# Altium PCB DIOT_temperature_logger.PCBDOC (part 1 of 5) (continued)
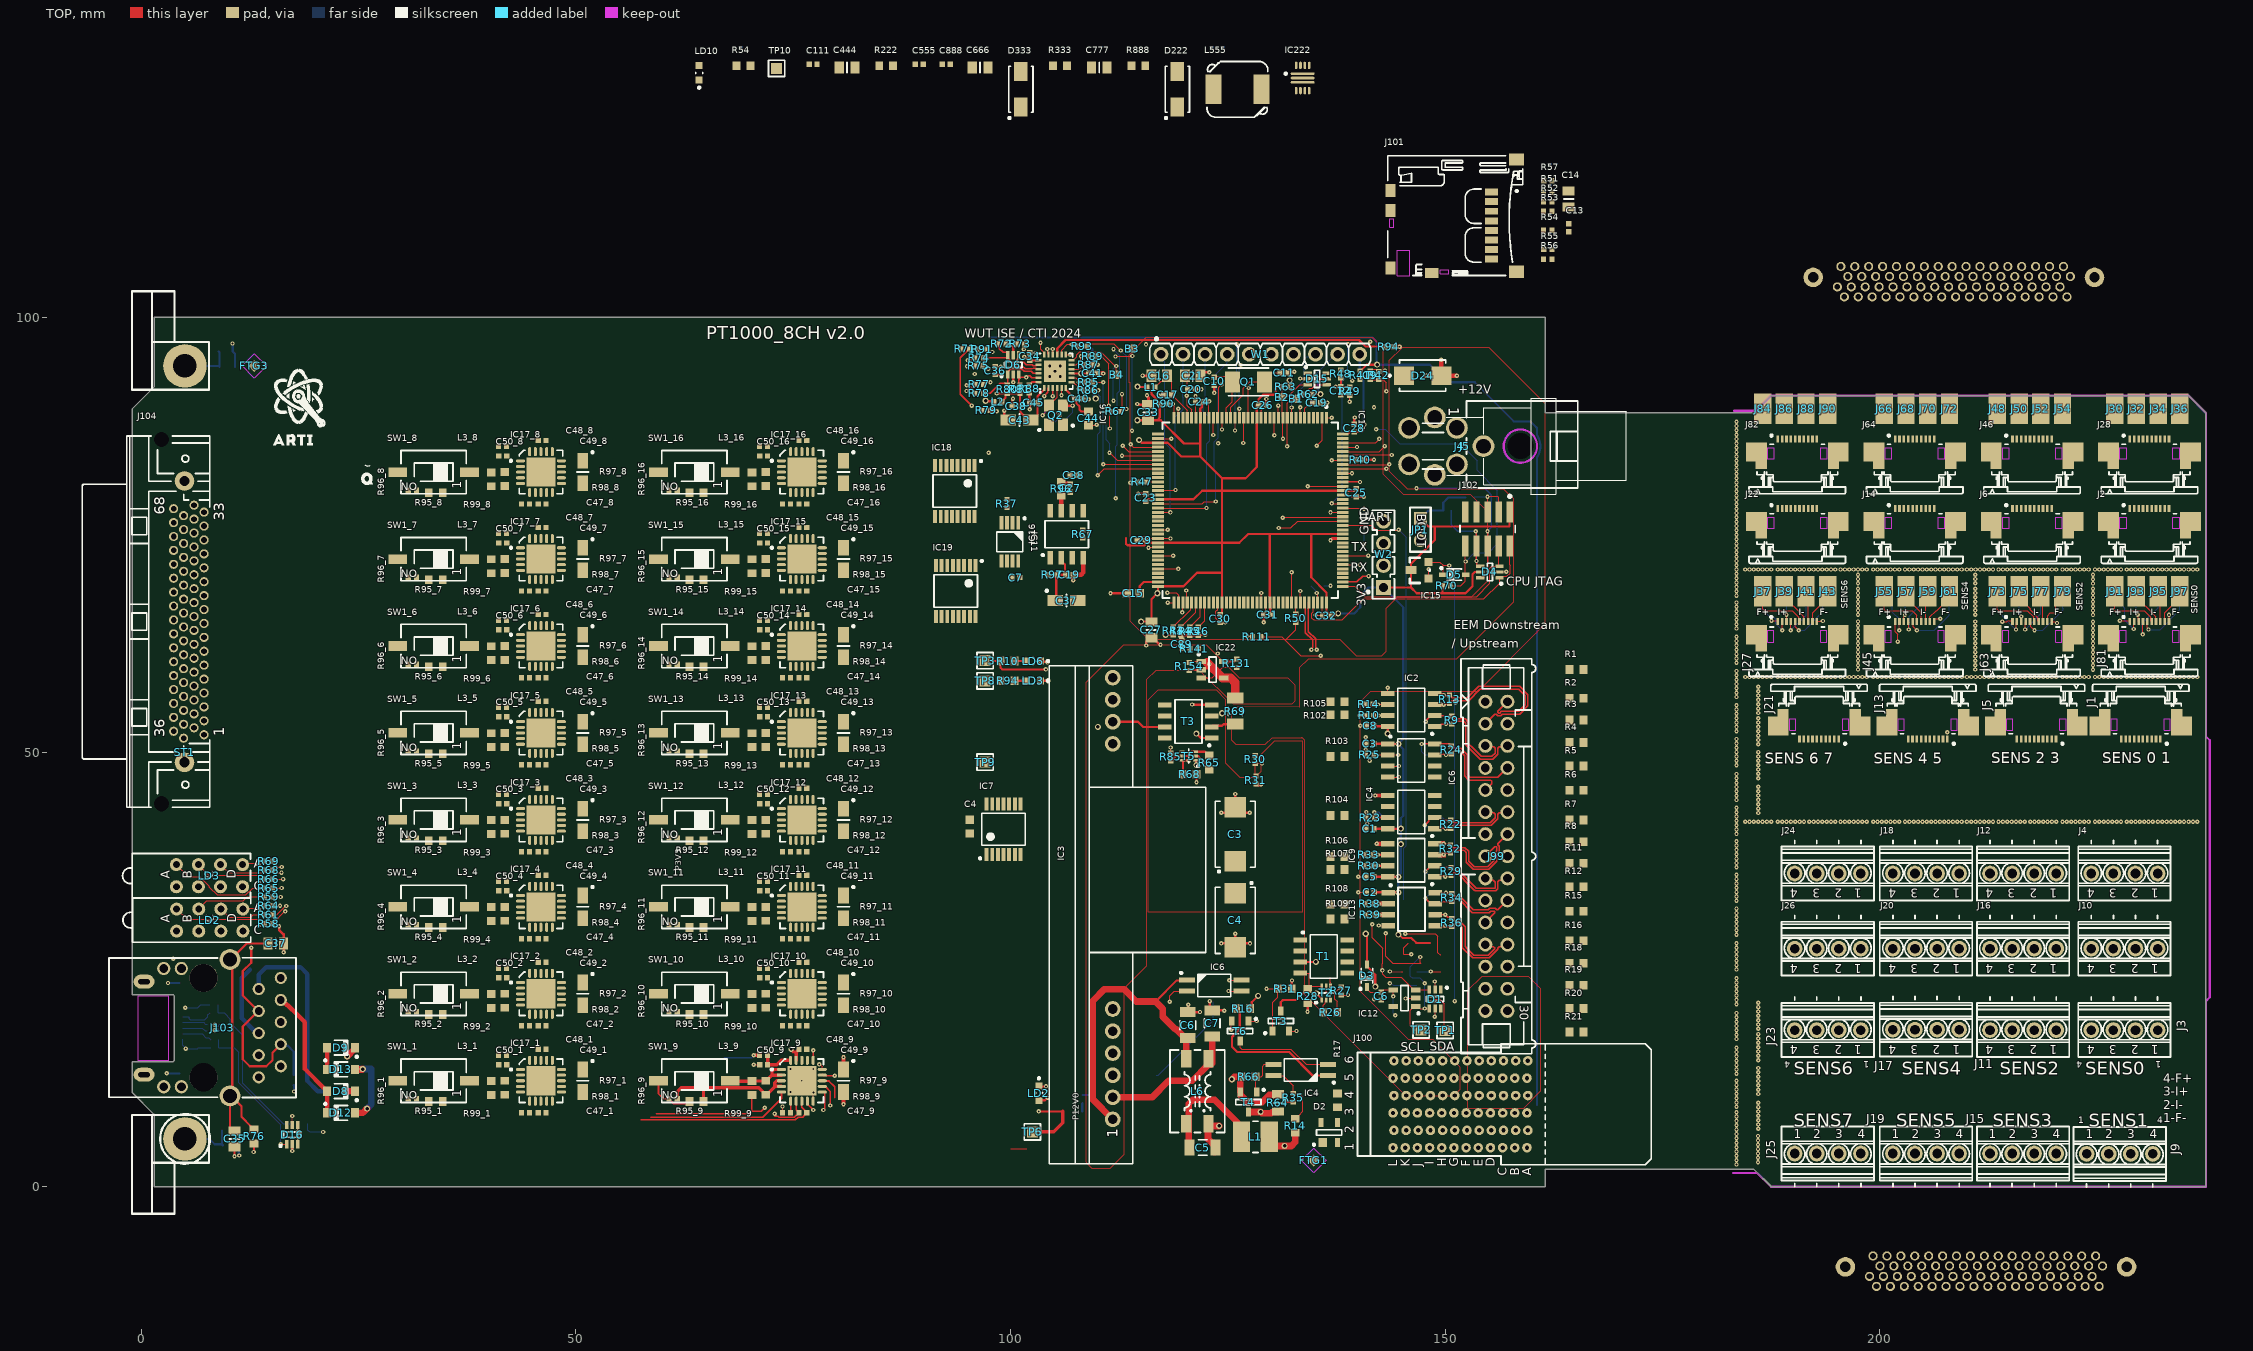
[diagram p0: TOP view]
## Classes and differential pairs
component class U_Breakout2: J1 J2 J3 J4 J5 J6 J7 J8 J9 J10 J11 J12 J13 J14 J15 J16 J17 J18 J19 J20 J21 J22 J23 J24 J25 J26 J27 J28 J29 J30 J31 J32 J33 J34 J35 J36 J37 J38 J39 J40 J41 J42 J43 J44 J45 J46 J47 J48 J49 J50 J51 J52 J53 J54 J55 J56 J57 J58 J59 J60 J61 J62 J63 J64 J65 J66 J67 J68 J69 J70 J71 J72 J73 J74 J75 J76 J77 J78 J79 J80 J81 J82 J83 J84 J85 J86 J87 J88 J89 J90 J91 J92 J93 J94 J95 J96 J97 J98
net class PWR: P12V0
component class RTD_15: C47_16 C48_16 C49_16 C50_16 IC17_16 L3_16 R95_16 R96_16 R97_16 R98_16 R99_16 SW1_16
component class RTD_14: C47_15 C48_15 C49_15 C50_15 IC17_15 L3_15 R95_15 R96_15 R97_15 R98_15 R99_15 SW1_15
component class RTD_13: C47_14 C48_14 C49_14 C50_14 IC17_14 L3_14 R95_14 R96_14 R97_14 R98_14 R99_14 SW1_14
component class RTD_12: C47_13 C48_13 C49_13 C50_13 IC17_13 L3_13 R95_13 R96_13 R97_13 R98_13 R99_13 SW1_13
component class RTD_11: C47_12 C48_12 C49_12 C50_12 IC17_12 L3_12 R95_12 R96_12 R97_12 R98_12 R99_12 SW1_12
component class RTD_10: C47_11 C48_11 C49_11 C50_11 IC17_11 L3_11 R95_11 R96_11 R97_11 R98_11 R99_11 SW1_11
component class RTD_09: C47_10 C48_10 C49_10 C50_10 IC17_10 L3_10 R95_10 R96_10 R97_10 R98_10 R99_10 SW1_10
component class RTD_08: C47_9 C48_9 C49_9 C50_9 IC17_9 L3_9 R95_9 R96_9 R97_9 R98_9 R99_9 SW1_9
component class RTD_07: C47_8 C48_8 C49_8 C50_8 IC17_8 L3_8 R95_8 R96_8 R97_8 R98_8 R99_8 SW1_8
component class RTD_06: C47_7 C48_7 C49_7 C50_7 IC17_7 L3_7 R95_7 R96_7 R97_7 R98_7 R99_7 SW1_7
component class RTD_05: C47_6 C48_6 C49_6 C50_6 IC17_6 L3_6 R95_6 R96_6 R97_6 R98_6 R99_6 SW1_6
component class RTD_04: C47_5 C48_5 C49_5 C50_5 IC17_5 L3_5 R95_5 R96_5 R97_5 R98_5 R99_5 SW1_5
channel class RTD: RTD_00 RTD_01 RTD_02 RTD_03 RTD_04 RTD_05 RTD_06 RTD_07 RTD_08 RTD_09 RTD_10 RTD_11 RTD_12 RTD_13 RTD_14 RTD_15
component class RTD_03: C47_4 C48_4 C49_4 C50_4 IC17_4 L3_4 R95_4 R96_4 R97_4 R98_4 R99_4 SW1_4
component class RTD_02: C47_3 C48_3 C49_3 C50_3 IC17_3 L3_3 R95_3 R96_3 R97_3 R98_3 R99_3 SW1_3
component class RTD_01: C47_2 C48_2 C49_2 C50_2 IC17_2 L3_2 R95_2 R96_2 R97_2 R98_2 R99_2 SW1_2
component class RTD_00: C47_1 C48_1 C49_1 C50_1 IC17_1 L3_1 R95_1 R96_1 R97_1 R98_1 R99_1 SW1_1
net class HPOW: NetC5_1 NetC5_2 NetC6_2 NetC7_2 P12V0 P12V0_IN P12V0_POE POE_VC+ POE_VC-
component class EEM_connector: C1 C2 C3 C4 C5 C6 C7 C8 D1 D2 D3 IC1 IC2 IC3 IC4 IC5 IC6 IC7 IC8 IC9 IC10 IC11 IC12 IC13 J99 J100 LD1 R1 R2 R3 R4 R5 R6 R7 R8 R9 R10 R11 R12 R13 R14 R15 R16 R17 R18 R19 R20 R21 R22 R23 R24 R25 R26 R27 R28 R29 R30 R31 R32 R33 R34 R35 R36 R37 R38 R39 T1 T2 T3 TP1 TP2 TP3
component class Thermostat_16CH: C51 C52 D15 FTG1 FTG2 FTG3 FTG4 IC18 IC19 J104 R100 R101 R102 R103 R104 R105 R106 R107 R108 R109 SCREW5 SCREW6 SCREW7 SCREW8 ST1 Standoff1 Standoff2 Standoff4
net class HV: NetC5_1 NetC5_2 NetC6_2 NetC7_2 NetIC3_3 NetIC4_3 NetIC4_4 POE_IN1 POE_IN2 POE_IN3 POE_IN4 POE_VC+ POE_VC-
component class USB: C53 C54 D16 F1 FB1 FB2 J105 L4 R110 R111
component class U_STM32_F4CPU: B1 B2 C9 C10 C11 C12 C13 C14 C15 C16 C17 C18 C19 C20 C21 C22 C23 C24 C25 C26 C27 C28 C29 C30 C31 C32 C33 D4 D5 IC14 IC15 J101 J102 JP1 L1 LD2 LD3 Q1 R40 R41 R42 R43 R44 R45 R46 R47 R48 R49 R50 R51 R52 R53 R54 R55 R56 R57 R58 R59 R60 R61 R62 R63 R64 R65 R66 R67 R68 R69 R70 W1 W2
component class RMII_Ethernet: B3 B4 C34 C35 C36 C37 C38 C39 C40 C41 C42 C43 C44 C45 C46 D6 D7 D8 D9 D10 D11 D12 D13 D14 IC16 J103 L2 Q2 R71 R72 R73 R74 R75 R76 R77 R78 R79 R80 R81 R82 R83 R84 R85 R86 R87 R88 R89 R90 R91 R92 R93 R94
component class U_Thermostat_Supply: C3 C4 C5 C6 C7 C19 C27 C37 C38 C89 C111 C444 C555 C666 C777 C888 D24 D222 D333 IC3 IC4 IC6 IC16 IC22 IC222 J4 J5 L1 L6 L555 LD2 LD3 LD6 LD10 R10 R14 R16 R30 R31 R35 R54 R64 R65 R66 R67 R68 R69 R85 R90 R94 R96 R97 R131 R141 R154 R222 R333 R888 T3 T4 T5 T6 TP6 TP8 TP9 TP10
differential pair BP_IO.LVDS7: +BP_IO.LVDS7_P -BP_IO.LVDS7_N
differential pair BP_IO.LVDS6: +BP_IO.LVDS6_P -BP_IO.LVDS6_N
differential pair BP_IO.LVDS5: +BP_IO.LVDS5_P -BP_IO.LVDS5_N
differential pair BP_IO.LVDS4: +BP_IO.LVDS4_P -BP_IO.LVDS4_N
differential pair BP_IO.LVDS3: +BP_IO.LVDS3_P -BP_IO.LVDS3_N
differential pair BP_IO.LVDS2: +BP_IO.LVDS2_P -BP_IO.LVDS2_N
differential pair LVDS7: +LVDS7_P -LVDS7_N
differential pair LVDS6: +LVDS6_P -LVDS6_N
differential pair LVDS5: +LVDS5_P -LVDS5_N
differential pair LVDS4: +LVDS4_P -LVDS4_N
differential pair LVDS3: +LVDS3_P -LVDS3_N
differential pair LVDS2: +LVDS2_P -LVDS2_N
differential pair LVDS1: +LVDS1_P -LVDS1_N
differential pair LVDS0: +LVDS0_P -LVDS0_N
differential pair TD: +TD_P -TD_N
differential pair RD: +RD_P -RD_N
differential pair USB: +USB_P -USB_N
differential pair USBJ: +USBJ_P -USBJ_N
differential pair PHY_TD: +PHY_TD_P -PHY_TD_N
differential pair PHY_RD: +PHY_RD_P -PHY_RD_N

## Components (designator, comment, footprint, x,y, rotation, side; value= is the part's Value field where it differs from the comment)
B1 "SMD Pad" C100 132.866,90.634 r90 top
B2 "SMD Pad" C100 131.232,90.836 r90 top
B3 "SMD Pad" C100 113.989,96.413 r0 top
B4 "SMD Pad" C100 112.217,93.396 r0 top
C1 "100nF" CAPC1005X55N 141.312,41.193 r0 top
C2 "100nF" CAPC1005X55N 141.395,33.875 r0 top
C3 "100nF" CAPC1005X55N 141.312,50.968 r0 top
C3 "220uF" CAPMP7343X430N 125.85,40.558 r90 top
C4 "100nF" CAPC1608X87N 95.325,41.426 r90 top
C4 "220uF" CAPMP7343X430N 125.85,30.642 r270 top
C5 "100nF" CAPC1005X55N 141.312,35.656 r0 top
C5 "4.7nF" CAPC3216X140N 122.102,4.521 r180 top
C6 "4.7nF" CAPC3216X140N 120.4,18.6 r270 top
C6 "100nF" CAPC1005X55N 142.643,21.942 r90 top
C7 "4.7nF" CAPC3216X140N 123.2,18.8 r270 top
C7 "100nF" CAPC1005X55N 100.619,70.079 r0 top
C8 "100nF" CAPC1005X55N 141.362,53.025 r0 top
C9 "100nF" CAPC1005X55N 141.364,93.334 r90 top
C10 "12pF" CAPC1005X55N 123.435,92.657 r270 top
C11 "12pF" CAPC1005X55N 131.485,93.63 r0 top
C12 "100nF" CAPC1005X55N 138,91.55 r270 top
C13 "100nF" CAPC1005X55N 164.2,110.3 r270 top
C14 "22uF" CAPC2012X135N 164.19,113.61 r270 top
C15 "2.2uF" CAPC1608X90N 114.112,68.269 r0 top
C16 "1uF" CAPC2012X110N 117.122,93.301 r0 top
C17 "10nF" CAPC1005X55N 118.097,91.1 r180 top
C18 "2.2uF" CAPC1608X90N 135.269,69.119 r180 bottom
C19 "100nF" CAPC1005X55N 135.203,90.187 r0 top
C19 "100nF" CAPC1005X55N 106.775,70.4 r0 top
C20 "10nF" CAPC1005X55N 120.806,91.732 r0 top
C21 "1uF" CAPC2012X110N 120.951,93.262 r180 top
C22 "100nF" CAPC1005X55N 152.793,79.297 r0 bottom
C23 "100nF" CAPC1005X55N 115.553,79.269 r90 top
C24 "100nF" CAPC1005X55N 121.728,90.3 r180 top
C25 "100nF" CAPC1005X55N 139.778,79.819 r270 top
C26 "100nF" CAPC1005X55N 128.985,89.912 r0 top
C27 "10nF" CAPC1005X55N 106.875,80.35 r270 top
C27 "10uF" CAPC2012X135N 116.207,64.05 r270 top
C28 "100nF" CAPC1005X55N 139.553,87.269 r90 top
C29 "100nF" CAPC1005X55N 115.032,74.341 r180 top
C30 "100nF" CAPC1005X55N 124.111,65.359 r270 top
C31 "100nF" CAPC1005X55N 129.578,65.819 r180 top
C32 "100nF" CAPC1005X55N 136.328,65.708 r180 top
C33 "10uF" CAPC2012X135N 115.828,89.069 r90 top
C34 "100nF" CAPC1005X55N 102.22,95.499 r90 top
C35 "Undefined" CAPC2012X135N 10.754,5.512 r270 top
C36 "100nF" CAPC1005X55N 98.252,93.873 r270 top
C37 "Undefined" CAPC2012X135N 15.5,28 r0 top
C37 "10uF" CAPMP3216X180N 106.45,67.425 r0 top
C38 "100nF" CAPC1005X55N 100.645,89.8 r0 top
C38 "100nF" CAPC1005X55N 107.3,81.832 r180 top
C39 "18pF" CAPC1005X55N 105.12,89.725 r180 bottom
C40 "1nF" CAPC1005X55N 107.845,90.625 r180 top
C41 "100nF" CAPC1005X55N 109.44,93.55 r180 top
C42 "100nF" CAPC1005X55N 17.577,12.122 r90 bottom
C43 "10uF" CAPMP3216X180N 101.045,88.175 r180 top
C44 "1uF" CAPC1608X87N 108.97,88.375 r90 top
C45 "100nF" CAPC1005X55N 102.67,90.175 r0 top
C46 "18pF" CAPC1005X55N 105.589,88.005 r180 bottom
C47_1 "100nF" CAPC1005X55N 46.13,8.53 r0 top (schematic designator C47)
C47_2 "100nF" CAPC1005X55N 46.13,18.53 r0 top (schematic designator C47)
C47_3 "100nF" CAPC1005X55N 46.13,38.53 r0 top (schematic designator C47)
C47_4 "100nF" CAPC1005X55N 46.13,28.53 r0 top (schematic designator C47)
C47_5 "100nF" CAPC1005X55N 46.13,48.53 r0 top (schematic designator C47)
C47_6 "100nF" CAPC1005X55N 46.13,58.53 r0 top (schematic designator C47)
C47_7 "100nF" CAPC1005X55N 46.13,68.53 r0 top (schematic designator C47)
C47_8 "100nF" CAPC1005X55N 46.13,78.53 r0 top (schematic designator C47)
C47_9 "100nF" CAPC1005X55N 76.13,8.53 r0 top (schematic designator C47)
C47_10 "100nF" CAPC1005X55N 76.13,18.53 r0 top (schematic designator C47)
C47_11 "100nF" CAPC1005X55N 76.13,28.53 r0 top (schematic designator C47)
C47_12 "100nF" CAPC1005X55N 76.13,38.53 r0 top (schematic designator C47)
C47_13 "100nF" CAPC1005X55N 76.13,48.53 r0 top (schematic designator C47)
C47_14 "100nF" CAPC1005X55N 76.13,58.53 r0 top (schematic designator C47)
C47_15 "100nF" CAPC1005X55N 76.13,68.53 r0 top (schematic designator C47)
C47_16 "100nF" CAPC1005X55N 76.13,78.53 r0 top (schematic designator C47)
C48_1 "100nF" CAPC1005X55N 46.13,15.83 r0 top (schematic designator C48)
C48_2 "100nF" CAPC1005X55N 46.13,25.83 r0 top (schematic designator C48)
C48_3 "100nF" CAPC1005X55N 46.13,45.83 r0 top (schematic designator C48)
C48_4 "100nF" CAPC1005X55N 46.13,35.83 r0 top (schematic designator C48)
C48_5 "100nF" CAPC1005X55N 46.13,55.83 r0 top (schematic designator C48)
C48_6 "100nF" CAPC1005X55N 46.13,65.83 r0 top (schematic designator C48)
C48_7 "100nF" CAPC1005X55N 46.13,75.83 r0 top (schematic designator C48)
C48_8 "100nF" CAPC1005X55N 46.13,85.83 r0 top (schematic designator C48)
C48_9 "100nF" CAPC1005X55N 76.13,15.83 r0 top (schematic designator C48)
C48_10 "100nF" CAPC1005X55N 76.13,25.83 r0 top (schematic designator C48)
C48_11 "100nF" CAPC1005X55N 76.13,35.83 r0 top (schematic designator C48)
C48_12 "100nF" CAPC1005X55N 76.13,45.83 r0 top (schematic designator C48)
C48_13 "100nF" CAPC1005X55N 76.13,55.83 r0 top (schematic designator C48)
C48_14 "100nF" CAPC1005X55N 76.13,65.83 r0 top (schematic designator C48)
C48_15 "100nF" CAPC1005X55N 76.13,75.83 r0 top (schematic designator C48)
C48_16 "100nF" CAPC1005X55N 76.13,85.83 r0 top (schematic designator C48)
C49_1 "10uF" CAPMP3216X180N 50.8,12.2 r270 top (schematic designator C49)
C49_2 "10uF" CAPMP3216X180N 50.8,22.2 r270 top (schematic designator C49)
C49_3 "10uF" CAPMP3216X180N 50.8,42.2 r270 top (schematic designator C49)
C49_4 "10uF" CAPMP3216X180N 50.8,32.2 r270 top (schematic designator C49)
C49_5 "10uF" CAPMP3216X180N 50.8,52.2 r270 top (schematic designator C49)
C49_6 "10uF" CAPMP3216X180N 50.8,62.2 r270 top (schematic designator C49)
C49_7 "10uF" CAPMP3216X180N 50.8,72.2 r270 top (schematic designator C49)
C49_8 "10uF" CAPMP3216X180N 50.8,82.2 r270 top (schematic designator C49)
C49_9 "10uF" CAPMP3216X180N 80.8,12.2 r270 top (schematic designator C49)
C49_10 "10uF" CAPMP3216X180N 80.8,22.2 r270 top (schematic designator C49)
C49_11 "10uF" CAPMP3216X180N 80.8,32.2 r270 top (schematic designator C49)
C49_12 "10uF" CAPMP3216X180N 80.8,42.2 r270 top (schematic designator C49)
C49_13 "10uF" CAPMP3216X180N 80.8,52.2 r270 top (schematic designator C49)
C49_14 "10uF" CAPMP3216X180N 80.8,62.2 r270 top (schematic designator C49)
C49_15 "10uF" CAPMP3216X180N 80.8,72.2 r270 top (schematic designator C49)
C49_16 "10uF" CAPMP3216X180N 80.8,82.2 r270 top (schematic designator C49)
C50_1 "100nF" CAPC1005X55N 41.6,14.05 r0 top (schematic designator C50)
C50_2 "100nF" CAPC1005X55N 41.6,24.05 r0 top (schematic designator C50)
C50_3 "100nF" CAPC1005X55N 41.6,44.05 r0 top (schematic designator C50)
C50_4 "100nF" CAPC1005X55N 41.6,34.05 r0 top (schematic designator C50)
C50_5 "100nF" CAPC1005X55N 41.6,54.05 r0 top (schematic designator C50)
C50_6 "100nF" CAPC1005X55N 41.6,64.05 r0 top (schematic designator C50)
C50_7 "100nF" CAPC1005X55N 41.6,74.05 r0 top (schematic designator C50)
C50_8 "100nF" CAPC1005X55N 41.6,84.05 r0 top (schematic designator C50)
C50_9 "100nF" CAPC1005X55N 71.6,14.05 r0 top (schematic designator C50)
C50_10 "100nF" CAPC1005X55N 71.6,24.05 r0 top (schematic designator C50)
C50_11 "100nF" CAPC1005X55N 71.6,34.05 r0 top (schematic designator C50)
C50_12 "100nF" CAPC1005X55N 71.6,44.05 r0 top (schematic designator C50)
C50_13 "100nF" CAPC1005X55N 71.6,54.05 r0 top (schematic designator C50)
C50_14 "100nF" CAPC1005X55N 71.6,64.05 r0 top (schematic designator C50)
C50_15 "100nF" CAPC1005X55N 71.6,74.05 r0 top (schematic designator C50)
C50_16 "100nF" CAPC1005X55N 71.6,84.05 r0 top (schematic designator C50)
C51 "Undefined" CAPC2012X135N 9.925,94.312 r0 bottom
C52 "Undefined" CAPC2012X135N 10.339,4.75 r0 bottom
C53 "100nF" CAPC1005X55N 8.485,15.975 r0 bottom
C54 "100nF" CAPC1005X55N 8.373,20.955 r0 bottom
C89 "10nF" CAPC1005X55N 119.71,62.395 r90 top
C111 "100nF" CAPC1005X55N 77.3,129.125 r0 top
C444 "22uF" CAPC2012X135N 81.2,128.725 r0 top
C555 "100nF" CAPC1005X55N 89.5,129.125 r0 top
C666 "22uF" CAPC2012X135N 96.5,128.725 r0 top
C777 "22uF" CAPC2012X135N 110.2,128.725 r0 top
C888 "100nF" CAPC1005X55N 92.6,129.125 r0 top
D1 "DRTR5V0U4S-7" SOT65P210X110-6N 148.837,21.602 r270 top
D2 "PRTR5V0U2X" SOT190P230X110-4N 136.649,6.25 r90 top
D3 "BAT165" SOD2512X110N 141,24.265 r90 top
D4 "DRTR5V0U4S-7" SOT65P210X110-6N 155.14,70.713 r180 top
D5 "BAT165" SOD2512X110N 151.056,70.406 r0 top
D6 "DRTR5V0U4S-7" SOT65P210X110-6N 100.31,94.53 r90 top
D7 "PMEG6020ER" SODFL3517X110N 23,16 r180 bottom
D8 "PMEG6020ER" SODFL3517X110N 23,11 r180 top
D9 "PMEG6020ER" SODFL3517X110N 23,16 r180 top
D10 "PMEG6020ER" SODFL3517X110N 23,11 r180 bottom
D11 "PMEG6020ER" SODFL3517X110N 23,13.5 r0 bottom
D12 "PMEG6020ER" SODFL3517X110N 23,8.5 r0 top
D13 "PMEG6020ER" SODFL3517X110N 23,13.5 r0 top
D14 "PMEG6020ER" SODFL3517X110N 23,8.5 r0 bottom
D15 "DRTR5V0U4S-7" SOT65P210X110-6N 135.275,92.925 r0 top
D16 "DRTR5V0U4S-7" SOT65P210X110-6N 17.4,6 r90 top
D24 "SMBJ15A" DIOM5336X265N 147.4,93.3 r0 top
D222 "SS16" DIOM5127X229N 119.2,126.225 r90 top
D333 "SS16" DIOM5127X229N 101.2,126.225 r90 top
F1 "500mA-6V" FUSR_BOURNS_MF-PSMF050 23,4.119 r0 bottom
FB1 "220R@100MHz" INDC1005X55N 8.398,20.005 r180 bottom
FB2 "220R@100MHz" INDC1005X55N 8.485,16.925 r180 bottom
FTG1 "Use only in PCB" FIDUCIAL_TOP_S100-200 134.874,3.048 r90 top
FTG2 "Use only in PCB" FIDUCIAL_TOP_S100-200 13.03,94.498 r0 bottom
FTG3 "Use only in PCB" FIDUCIAL_TOP_S100-200 13.03,94.412 r90 top
FTG4 "Use only in PCB" FIDUCIAL_TOP_S100-200 134.874,3.048 r90 bottom
IC1 "FIN1027AMX" SOIC127P600X175-8N 146.094,54.846 r0 bottom
IC2 "FIN1028MX" SOIC127P600X175-8N 146.094,54.846 r180 top
IC3 "FIN1027AMX" SOIC127P600X175-8N 146.094,43.098 r0 bottom
IC3 "AG5300" SILVERTEL_AG5300 111.76,33.159 r90 top locked
IC4 "FIN1028MX" SOIC127P600X175-8N 146.094,43.098 r180 top
IC4 "ACPL-217-500E" SOIC127P700X242-4N 133.379,13.437 r180 top
IC5 "FIN1028MX" SOIC127P600X175-8N 146.094,49.031 r180 bottom
IC6 "FIN1027AMX" SOIC127P600X175-8N 146.094,49.032 r0 top
IC6 "ACPL-217-500E" SOIC127P700X242-4N 123.433,23.152 r0 top
IC7 "74HC4066PW" SOP65P640X110-14N 99.2,41.124 r90 top
IC8 "FIN1027AMX" SOIC127P600X175-8N 146.094,37.561 r0 bottom
IC9 "FIN1028MX" SOIC127P600X175-8N 146.094,37.561 r180 top
IC10 "FIN1028MX" SOIC127P600X175-8N 146.125,31.925 r180 bottom
IC11 "LM75AIMM/NOPB" SOP65P490X109-8N 99.919,74.177 r270 top
IC12 "24AA02E48T-I/OT" SOT95P280X145-5N 145.319,21.702 r180 top
IC13 "FIN1027AMX" SOIC127P600X175-8N 146.125,31.925 r0 top
IC14 "STM32H743ZIT6" FP-LQFP144-1A-MFG 127.578,77.819 r270 top
IC15 "STM809SWX6F" SOT-23 148.088,69.956 r90 top
IC16 "ADR433BRZ" SOIC127P600X175-8N 106.472,75.061 r90 top
IC16 "LAN8742A-CZ-TR" QFN24_0R5_4X4 105.12,93.8 r90 top
IC17_1 "MAX31865ATP+" QFN65P500X500X80-21N-S335 46,12.2 r0 top (schematic designator IC17)
IC17_2 "MAX31865ATP+" QFN65P500X500X80-21N-S335 46,22.2 r0 top (schematic designator IC17)
IC17_3 "MAX31865ATP+" QFN65P500X500X80-21N-S335 46,42.2 r0 top (schematic designator IC17)
IC17_4 "MAX31865ATP+" QFN65P500X500X80-21N-S335 46,32.2 r0 top (schematic designator IC17)
IC17_5 "MAX31865ATP+" QFN65P500X500X80-21N-S335 46,52.2 r0 top (schematic designator IC17)
IC17_6 "MAX31865ATP+" QFN65P500X500X80-21N-S335 46,62.2 r0 top (schematic designator IC17)
IC17_7 "MAX31865ATP+" QFN65P500X500X80-21N-S335 46,72.2 r0 top (schematic designator IC17)
IC17_8 "MAX31865ATP+" QFN65P500X500X80-21N-S335 46,82.2 r0 top (schematic designator IC17)
IC17_9 "MAX31865ATP+" QFN65P500X500X80-21N-S335 76,12.2 r0 top locked (schematic designator IC17)
IC17_10 "MAX31865ATP+" QFN65P500X500X80-21N-S335 76,22.2 r0 top (schematic designator IC17)
IC17_11 "MAX31865ATP+" QFN65P500X500X80-21N-S335 76,32.2 r0 top (schematic designator IC17)
IC17_12 "MAX31865ATP+" QFN65P500X500X80-21N-S335 76,42.2 r0 top (schematic designator IC17)
IC17_13 "MAX31865ATP+" QFN65P500X500X80-21N-S335 76,52.2 r0 top (schematic designator IC17)
IC17_14 "MAX31865ATP+" QFN65P500X500X80-21N-S335 76,62.2 r0 top (schematic designator IC17)
IC17_15 "MAX31865ATP+" QFN65P500X500X80-21N-S335 76,72.2 r0 top (schematic designator IC17)
IC17_16 "MAX31865ATP+" QFN65P500X500X80-21N-S335 76,82.2 r0 top (schematic designator IC17)
IC18 "74HC138PW" SOP65P640X110-16N 93.6,80.029 r270 top
IC19 "74HC138PW" SOP65P640X110-16N 93.7,68.53 r270 top
IC22 "LT6106CS5#TRMPBF" SOT95P280X145-5N 123.25,59.481 r0 top
IC222 "TPS62148RGX" TEXAS_RGX0011A 133.6,127.525 r0 top
J1 "FFC/FPC" MOLEX_52745-1097#1 229.995,51.5 r180 top
J2 "FFC/FPC" MOLEX_52745-1097#2 230.995,78 r0 top
J3 "" PHOENIX_1725672 228.115,18.033 r180 top
J4 "" PHOENIX_1725672 228.115,36.036 r180 top
J4 "Jack" SWITCHCRAFT_L712RA 148.797,81.885 r180 top
J5 "FFC/FPC" MOLEX_52745-1097#1 217.995,51.5 r180 top
J5 "Mini-Fit Jr.™" MOLEX_39-30-0040 148.591,85.185 r270 top
J6 "FFC/FPC" MOLEX_52745-1097#2 217.495,78 r0 top
J7 "DNP" MOLEX_71430-0013 212.195,-9.7 r180 bottom
J8 "DNP" MOLEX_71430-0013 208.495,104.1 r180 bottom
J9 "" PHOENIX_1725672 227.574,3.783 r0 top
J10 "" PHOENIX_1725672 228.115,27.4 r180 top
J11 "" PHOENIX_1725672 216.464,18.033 r180 top
J12 "" PHOENIX_1725672 216.464,36.036 r180 top
J13 "FFC/FPC" MOLEX_52745-1097#1 205.495,51.5 r180 top
J14 "FFC/FPC" MOLEX_52745-1097#2 203.995,78 r0 top
J15 "" PHOENIX_1725672 216.464,3.833 r0 top
J16 "" PHOENIX_1725672 216.464,27.4 r180 top
J17 "" PHOENIX_1725672 205.294,18.083 r180 top
J18 "" PHOENIX_1725672 205.294,36.036 r180 top
J19 "" PHOENIX_1725672 205.294,3.833 r0 top
J20 "" PHOENIX_1725672 205.294,27.4 r180 top
J21 "FFC/FPC" MOLEX_52745-1097#1 192.995,51.5 r180 top
J22 "FFC/FPC" MOLEX_52745-1097#2 190.495,78 r0 top
J23 "" PHOENIX_1725672 193.994,18.033 r180 top
J24 "" PHOENIX_1725672 193.994,36.036 r180 top
J25 "" PHOENIX_1725672 193.994,3.833 r0 top
J26 "" PHOENIX_1725672 193.994,27.4 r180 top
J27 "FFC/FPC" MOLEX_52745-1097#1 190.495,65 r0 top
J28 "FFC/FPC" MOLEX_52745-1097#2 230.995,86 r0 top
J29 "SMD Pad" R350X200 186.495,68.5 r270 bottom
J30 "SMD Pad" R350X200 226.995,89.5 r90 top
J31 "SMD Pad" R350X200 188.995,68.5 r270 bottom
J32 "SMD Pad" R350X200 229.495,89.5 r90 top
J33 "SMD Pad" R350X200 191.495,68.5 r270 bottom
J34 "SMD Pad" R350X200 231.995,89.5 r90 top
J35 "SMD Pad" R350X200 193.995,68.5 r270 bottom
J36 "SMD Pad" R350X200 234.495,89.5 r90 top
J37 "SMD Pad" R350X200 186.495,68.5 r90 top
J38 "SMD Pad" R350X200 226.995,89.5 r90 bottom
J39 "SMD Pad" R350X200 188.995,68.5 r90 top
J40 "SMD Pad" R350X200 229.495,89.5 r90 bottom
J41 "SMD Pad" R350X200 191.495,68.5 r90 top
J42 "SMD Pad" R350X200 231.995,89.5 r90 bottom
J43 "SMD Pad" R350X200 193.995,68.5 r90 top
J44 "SMD Pad" R350X200 234.495,89.5 r90 bottom
J45 "FFC/FPC" MOLEX_52745-1097#1 203.995,65 r0 top
J46 "FFC/FPC" MOLEX_52745-1097#2 217.495,86 r0 top
J47 "SMD Pad" R350X200 200.495,68.5 r270 bottom
J48 "SMD Pad" R350X200 213.495,89.5 r90 top
J49 "SMD Pad" R350X200 202.995,68.5 r270 bottom
J50 "SMD Pad" R350X200 215.995,89.5 r90 top
J51 "SMD Pad" R350X200 205.495,68.5 r270 bottom
J52 "SMD Pad" R350X200 218.495,89.5 r90 top
J53 "SMD Pad" R350X200 207.995,68.5 r270 bottom
J54 "SMD Pad" R350X200 220.995,89.5 r90 top
J55 "SMD Pad" R350X200 200.495,68.5 r90 top
J56 "SMD Pad" R350X200 213.495,89.5 r90 bottom
J57 "SMD Pad" R350X200 202.995,68.5 r90 top
J58 "SMD Pad" R350X200 215.995,89.5 r90 bottom
J59 "SMD Pad" R350X200 205.495,68.5 r90 top
J60 "SMD Pad" R350X200 218.495,89.5 r90 bottom
J61 "SMD Pad" R350X200 207.995,68.5 r90 top
J62 "SMD Pad" R350X200 220.995,89.5 r90 bottom
J63 "FFC/FPC" MOLEX_52745-1097#1 217.495,65 r0 top
J64 "FFC/FPC" MOLEX_52745-1097#2 203.995,86 r0 top
J65 "SMD Pad" R350X200 213.495,68.5 r270 bottom
J66 "SMD Pad" R350X200 200.495,89.5 r90 top
J67 "SMD Pad" R350X200 215.995,68.5 r270 bottom
J68 "SMD Pad" R350X200 202.995,89.5 r90 top
J69 "SMD Pad" R350X200 218.495,68.5 r270 bottom
J70 "SMD Pad" R350X200 205.495,89.5 r90 top
J71 "SMD Pad" R350X200 220.995,68.5 r270 bottom
J72 "SMD Pad" R350X200 207.995,89.5 r90 top
J73 "SMD Pad" R350X200 213.495,68.5 r90 top
J74 "SMD Pad" R350X200 200.495,89.5 r90 bottom
J75 "SMD Pad" R350X200 215.995,68.5 r90 top
J76 "SMD Pad" R350X200 202.995,89.5 r90 bottom
J77 "SMD Pad" R350X200 218.495,68.5 r90 top
J78 "SMD Pad" R350X200 205.495,89.5 r90 bottom
J79 "SMD Pad" R350X200 220.995,68.5 r90 top
J80 "SMD Pad" R350X200 207.995,89.5 r90 bottom
J81 "FFC/FPC" MOLEX_52745-1097#1 230.995,65 r0 top
J82 "FFC/FPC" MOLEX_52745-1097#2 190.495,86 r0 top
J83 "SMD Pad" R350X200 226.995,68.5 r90 bottom
J84 "SMD Pad" R350X200 186.495,89.5 r90 top
J85 "SMD Pad" R350X200 229.495,68.5 r90 bottom
J86 "SMD Pad" R350X200 188.995,89.5 r90 top
J87 "SMD Pad" R350X200 231.995,68.5 r90 bottom
J88 "SMD Pad" R350X200 191.495,89.5 r90 top
J89 "SMD Pad" R350X200 234.495,68.5 r90 bottom
J90 "SMD Pad" R350X200 193.995,89.5 r90 top
J91 "SMD Pad" R350X200 226.995,68.5 r270 top
J92 "SMD Pad" R350X200 186.495,89.5 r90 bottom
J93 "SMD Pad" R350X200 229.495,68.5 r270 top
J94 "SMD Pad" R350X200 188.995,89.5 r90 bottom
J95 "SMD Pad" R350X200 231.995,68.5 r270 top
J96 "SMD Pad" R350X200 191.495,89.5 r90 bottom
J97 "SMD Pad" R350X200 234.495,68.5 r270 top
J98 "SMD Pad" R350X200 193.995,89.5 r90 bottom
J99 "" 3M_N2530-6002RB 155.884,38.018 r270 top locked
J100 "P1" AMPHENOL_10052825-101LF 151.75,9.5 r90 top
J101 "microSD" MOLEX_502570-0893 155.3,110.55 r270 top
J102 "Header 10" HARWIN_M50-3600542 154.864,75.667 r180 top
J103 "RJ45" ABRACON_ARJM11C7-114-BA-EW2 7.189,18.31 r270 top locked
J104 "DNP" MOLEX_71430-0013 5.5,65 r90 top
J105 "USB" UJ2-MIBH-4-MSMT 0.1,18.25 r270 bottom
JP1 "1798942 (goldpin 2x 2.54)" jump 147.131,76.861 r0 top
L1 "220R@100MHz" INDC1005X55N 116.153,91.951 r180 top
L1 "10uH" IND_MURATA-PS_8400 128.172,5.74 r180 top
L2 "220R@100MHz" INDC1005X55N 98.531,90.3 r180 top
L3_1 "220R@100MHz" INDC1005X55N 41.585,15.148 r180 top (schematic designator L3)
L3_2 "220R@100MHz" INDC1005X55N 41.585,25.148 r180 top (schematic designator L3)
L3_3 "220R@100MHz" INDC1005X55N 41.585,45.148 r180 top (schematic designator L3)
L3_4 "220R@100MHz" INDC1005X55N 41.585,35.148 r180 top (schematic designator L3)
L3_5 "220R@100MHz" INDC1005X55N 41.585,55.148 r180 top (schematic designator L3)
L3_6 "220R@100MHz" INDC1005X55N 41.585,65.148 r180 top (schematic designator L3)
L3_7 "220R@100MHz" INDC1005X55N 41.585,75.148 r180 top (schematic designator L3)
L3_8 "220R@100MHz" INDC1005X55N 41.585,85.148 r180 top (schematic designator L3)
L3_9 "220R@100MHz" INDC1005X55N 71.585,15.148 r180 top (schematic designator L3)
L3_10 "220R@100MHz" INDC1005X55N 71.585,25.148 r180 top (schematic designator L3)
L3_11 "220R@100MHz" INDC1005X55N 71.585,35.148 r180 top (schematic designator L3)
L3_12 "220R@100MHz" INDC1005X55N 71.585,45.148 r180 top (schematic designator L3)
L3_13 "220R@100MHz" INDC1005X55N 71.585,55.148 r180 top (schematic designator L3)
L3_14 "220R@100MHz" INDC1005X55N 71.585,65.148 r180 top (schematic designator L3)
L3_15 "220R@100MHz" INDC1005X55N 71.585,75.148 r180 top (schematic designator L3)
L3_16 "220R@100MHz" INDC1005X55N 71.585,85.148 r180 top (schematic designator L3)
L4 "90R@100MHz" IND_MURATA_DLW21S 8.475,18.322 r0 bottom
L6 "2x1mH" IND_WURTH_WE-SL2 121.5,11 r90 top
L555 "1.5uH" IND_TDK_SPM6530 126.1,126.225 r0 top
LD1 "Red" LED_KINGBRIGHT_KPH-1608SURCK 26.679,73.787 r270 bottom
LD2 "Green/Green/HeRed/HeRed" LED_BIVAR_H485CHHGGDL 7.909,30.676 r0 top
LD2 "Green" LED_KINGBRIGHT_KPH-1608CGCK 103.272,10.778 r270 top
LD3 "Green/Green/HeRed/HeRed" LED_BIVAR_H485CHHGGDL 7.87,35.782 r0 top
LD3 "Green" LED_KINGBRIGHT_KPH-1608CGCK 102.614,58.197 r180 top
LD6 "Green" LED_KINGBRIGHT_KPH-1608CGCK 102.614,60.468 r180 top
LD10 "Green" LED_KINGBRIGHT_KPH-1608CGCK 64.2,128.125 r90 top
Q1 "8MHz" XTAL_TXC_7A 127.367,92.584 r180 top
Q2 "25MHz" XTAL_EPSON_TSX-3225 105.22,88.75 r180 top
R1 "0" RESC1608X55N 165.1,59.5 r180 top
R2 "0" RESC1608X55N 165.1,56.2 r180 top
R3 "0" RESC1608X55N 165.1,53.7 r180 top
R4 "0" RESC1608X55N 165.1,51.1 r180 top
R5 "0" RESC1608X55N 165.1,48.4 r180 top
R6 "0" RESC1608X55N 165.1,45.6 r180 top
R7 "0" RESC1608X55N 165.1,42.2 r180 top
R8 "0" RESC1608X55N 165.1,39.7 r180 top
R9 "100" RESC1005X40N 150.741,53.683 r90 top
R10 "1k3" RESC1608X55N 99.666,60.476 r0 top
R10 "100" RESC1005X40N 141.278,54.211 r0 top
R11 "0" RESC1608X55N 165.1,37.2 r180 top
R12 "0" RESC1608X55N 165.1,34.5 r180 top
R13 "100" RESC1005X40N 150.495,56.084 r90 top
R14 "100" RESC1005X40N 141.21,55.48 r0 top
R14 "82k" RESC1608X55N 132.75,7.022 r270 top
R15 "0" RESC1608X55N 165.1,31.7 r180 top
R16 "0" RESC1608X55N 165.1,28.3 r180 top
R16 "220" RESC1608X55N 126.734,20.502 r0 top
R17 "200" RESC1608X55N 137.6,9.95 r270 top
R18 "0" RESC1608X55N 165.1,25.7 r180 top
R19 "0" RESC1608X55N 165.1,23.2 r180 top
R20 "0" RESC1608X55N 165.1,20.5 r180 top
R21 "0" RESC1608X55N 165.1,17.8 r180 top
R22 "100" RESC1005X40N 150.647,41.71 r90 top
R23 "100" RESC1005X40N 141.375,42.463 r0 top
R24 "100" RESC1005X40N 150.683,50.25 r90 top
R25 "100" RESC1005X40N 141.312,49.667 r0 top
R26 "1k3" RESC1608X55N 136.77,20.071 r0 top
R27 "33k" RESC1005X40N 138.02,22.526 r90 top
R28 "82k" RESC1608X55N 134.19,21.946 r90 top
R29 "100" RESC1005X40N 150.667,36.275 r90 top
R30 "100" RESC1005X40N 141.221,36.926 r0 top
R30 "33k" RESC1005X40N 128.141,49.163 r90 top
R31 "82k" RESC1608X55N 131.55,22.784 r180 top
R31 "10k" RESC1005X40N 128.234,46.786 r90 top
R32 "100" RESC1005X40N 150.6,38.862 r90 top
R33 "100" RESC1005X40N 141.221,38.196 r0 top
R34 "100" RESC1005X40N 150.741,33.274 r90 top
R35 "20k" RESC1005X40N 132.5,10.25 r90 top
R35 "1k" RESC1005X40N 26.679,76.92 r90 bottom
R36 "100" RESC1005X40N 150.741,30.398 r270 top
R37 "51k" RESC1005X40N 99.594,78.577 r270 top
R38 "100" RESC1005X40N 141.32,32.56 r0 top
R39 "100" RESC1005X40N 141.375,31.29 r0 top
R40 "10k" RESC1005X40N 140.2,83.6 r0 top
R41 "6k8" RESC1005X40N 140.2,93.334 r90 top
R42 "1k6" RESC1005X40N 142.345,93.314 r90 top
R43 "2k2" RESC1005X40N 118.7,63.93 r270 top
R44 "2k2" RESC1005X40N 119.6,63.93 r270 top
R45 "2k2" RESC1005X40N 120.6,63.9 r270 top
R46 "2k2" RESC1005X40N 121.6,63.9 r270 top
R47 "10k" RESC1005X40N 115.153,81.069 r0 top
R48 "1k6" RESC1005X40N 138,93.5 r90 top
R49 "6k8" RESC1005X40N 139,91.5 r270 top
R50 "10k" RESC1005X40N 132.828,65.399 r270 top
R51 "10k" RESC1005X40N 161.79,114.4 r0 top
R52 "10k" RESC1005X40N 161.79,113.3 r0 top
R53 "10k" RESC1005X40N 161.79,112.2 r0 top
R54 "1k3" RESC1608X55N 69.3,128.925 r0 top
R54 "10k" RESC1005X40N 161.79,110 r0 top
R55 "10k" RESC1005X40N 161.8,107.8 r0 top
R56 "10k" RESC1005X40N 161.79,106.7 r0 top
R57 "10k" RESC1005X40N 161.8,115.7 r0 top
R58 "1k" RESC1005X40N 14.665,30.256 r180 top
R59 "1k" RESC1005X40N 14.665,33.337 r180 top
R60 "10k" RESC1005X40N 150.231,77.796 r180 bottom
R61 "1k" RESC1005X40N 14.665,31.283 r180 top
R62 "10k" RESC1005X40N 134.218,91.175 r180 top
R63 "10k" RESC1005X40N 131.664,92.014 r0 top
R64 "1k" RESC1005X40N 14.665,32.31 r180 top
R64 "10" RESC2012X60N 130.763,9.652 r270 top
R65 "1k" RESC1005X40N 14.665,34.364 r180 top
R65 "1k3" RESC1608X55N 122.865,48.8 r90 top
R66 "1k" RESC1005X40N 14.665,35.391 r180 top
R66 "82k" RESC1608X55N 127.383,12.647 r0 top
R67 "33" RESC1005X40N 112.151,89.175 r180 top
R67 "10k" RESC1005X40N 108.293,75.069 r270 top
R68 "1k" RESC1005X40N 14.665,36.418 r180 top
R68 "82k" RESC1608X55N 120.6,47.458 r180 top
R69 "0R005" RESC3216X80N 125.85,54.711 r90 top
R69 "1k" RESC1005X40N 14.665,37.445 r180 top
R70 "10k" RESC1005X40N 150.156,69.121 r0 top
R71 "330" RESC1005X40N 94.794,96.374 r180 top
R72 "49R9" RESC1005X40N 98.991,96.96 r0 top
R73 "49R9" RESC1005X40N 101.136,96.952 r180 top
R74 "33" RESC1005X40N 96.399,95.335 r180 top
R75 "33" RESC1005X40N 96.369,94.435 r180 top
R76 "0" RESC1608X55N 13,5.8 r90 top
R77 "33" RESC1005X40N 96.429,92.3 r180 top
R78 "33" RESC1005X40N 96.399,91.285 r180 top
R79 "330" RESC1005X40N 97.2,89.3 r180 top
R80 "49R9" RESC1005X40N 99.606,91.725 r90 top
R81 "49R9" RESC1005X40N 101.09,91.725 r90 top
R82 "10k" RESC1005X40N 108.976,92.55 r180 bottom
R83 "10k" RESC1005X40N 108.945,91.575 r180 bottom
R84 "10k" RESC1005X40N 109.415,95.522 r180 bottom
R85 "33k" RESC1005X40N 118.415,49.448 r270 top
R85 "33" RESC1005X40N 108.976,92.55 r180 top
R86 "33" RESC1005X40N 108.97,91.6 r180 top
R87 "10k" RESC1005X40N 108.976,94.55 r0 top
R88 "12k1" RESC1005X40N 102.145,91.775 r270 top
R89 "33" RESC1005X40N 109.44,95.522 r180 top
R90 "10k" RESC1005X40N 108.275,10.075 r270 bottom
R90 "1k5" RESC1005X40N 117.647,90.037 r0 top
R91 "10k" RESC1005X40N 96.758,96.35 r0 top
R92 "10k" RESC1005X40N 108.248,97.045 r180 bottom
R93 "33" RESC1005X40N 108.248,96.695 r180 top
R94 "10k" RESC1005X40N 143.529,96.631 r180 top
R94 "1k3" RESC1608X55N 99.666,58.205 r0 top
R95_1 "442" RESC1608X55N 33.894,9.818 r180 top (schematic designator R95)
R95_2 "442" RESC1608X55N 33.894,19.818 r180 top (schematic designator R95)
R95_3 "442" RESC1608X55N 33.894,39.818 r180 top (schematic designator R95)
R95_4 "442" RESC1608X55N 33.894,29.818 r180 top (schematic designator R95)
R95_5 "442" RESC1608X55N 33.894,49.818 r180 top (schematic designator R95)
R95_6 "442" RESC1608X55N 33.894,59.818 r180 top (schematic designator R95)
R95_7 "442" RESC1608X55N 33.894,69.818 r180 top (schematic designator R95)
R95_8 "442" RESC1608X55N 33.894,79.818 r180 top (schematic designator R95)
R95_9 "442" RESC1608X55N 63.894,9.818 r180 top (schematic designator R95)
R95_10 "442" RESC1608X55N 63.894,19.818 r180 top (schematic designator R95)
R95_11 "442" RESC1608X55N 63.894,29.818 r180 top (schematic designator R95)
R95_12 "442" RESC1608X55N 63.894,39.818 r180 top (schematic designator R95)
R95_13 "442" RESC1608X55N 63.894,49.818 r180 top (schematic designator R95)
R95_14 "442" RESC1608X55N 63.894,59.818 r180 top (schematic designator R95)
R95_15 "442" RESC1608X55N 63.894,69.818 r180 top (schematic designator R95)
R95_16 "442" RESC1608X55N 63.894,79.818 r180 top (schematic designator R95)
R96 "82k" RESC1608X55N 105.825,80.3 r90 top
R96_1 "22k" RESC1005X40N 31.202,10.121 r180 top (schematic designator R96)
R96_2 "22k" RESC1005X40N 31.202,20.121 r180 top (schematic designator R96)
R96_3 "22k" RESC1005X40N 31.202,40.121 r180 top (schematic designator R96)
R96_4 "22k" RESC1005X40N 31.202,30.121 r180 top (schematic designator R96)
R96_5 "22k" RESC1005X40N 31.202,50.121 r180 top (schematic designator R96)
R96_6 "22k" RESC1005X40N 31.202,60.121 r180 top (schematic designator R96)
R96_7 "22k" RESC1005X40N 31.202,70.121 r180 top (schematic designator R96)
R96_8 "22k" RESC1005X40N 31.202,80.121 r180 top (schematic designator R96)
R96_9 "22k" RESC1005X40N 61.202,10.121 r180 top (schematic designator R96)
R96_10 "22k" RESC1005X40N 61.202,20.121 r180 top (schematic designator R96)
R96_11 "22k" RESC1005X40N 61.202,30.121 r180 top (schematic designator R96)
R96_12 "22k" RESC1005X40N 61.202,40.121 r180 top (schematic designator R96)
R96_13 "22k" RESC1005X40N 61.202,50.121 r180 top (schematic designator R96)
R96_14 "22k" RESC1005X40N 61.202,60.121 r180 top (schematic designator R96)
R96_15 "22k" RESC1005X40N 61.202,70.121 r180 top (schematic designator R96)
R96_16 "22k" RESC1005X40N 61.202,80.121 r180 top (schematic designator R96)
R97 "33" RESC1005X40N 104.8,70.4 r0 top
R97_1 "3k9" RESC1608X55N 41.85,11.4 r270 top (schematic designator R97)
R97_2 "3k9" RESC1608X55N 41.85,21.4 r270 top (schematic designator R97)
R97_3 "3k9" RESC1608X55N 41.85,41.4 r270 top (schematic designator R97)
R97_4 "3k9" RESC1608X55N 41.85,31.4 r270 top (schematic designator R97)
R97_5 "3k9" RESC1608X55N 41.85,51.4 r270 top (schematic designator R97)
R97_6 "3k9" RESC1608X55N 41.85,61.4 r270 top (schematic designator R97)
R97_7 "3k9" RESC1608X55N 41.85,71.4 r270 top (schematic designator R97)
R97_8 "3k9" RESC1608X55N 41.85,81.4 r270 top (schematic designator R97)
R97_9 "3k9" RESC1608X55N 71.85,11.4 r270 top (schematic designator R97)
R97_10 "3k9" RESC1608X55N 71.85,21.4 r270 top (schematic designator R97)
R97_11 "3k9" RESC1608X55N 71.85,31.4 r270 top (schematic designator R97)
R97_12 "3k9" RESC1608X55N 71.85,41.4 r270 top (schematic designator R97)
R97_13 "3k9" RESC1608X55N 71.85,51.4 r270 top (schematic designator R97)
R97_14 "3k9" RESC1608X55N 71.85,61.4 r270 top (schematic designator R97)
R97_15 "3k9" RESC1608X55N 71.85,71.4 r270 top (schematic designator R97)
R97_16 "3k9" RESC1608X55N 71.85,81.4 r270 top (schematic designator R97)
R98_1 "0" RESC1005X40N 44.23,8.53 r0 top (schematic designator R98)
R98_2 "0" RESC1005X40N 44.23,18.53 r0 top (schematic designator R98)
R98_3 "0" RESC1005X40N 44.23,38.53 r0 top (schematic designator R98)
R98_4 "0" RESC1005X40N 44.23,28.53 r0 top (schematic designator R98)
R98_5 "0" RESC1005X40N 44.23,48.53 r0 top (schematic designator R98)
R98_6 "0" RESC1005X40N 44.23,58.53 r0 top (schematic designator R98)
R98_7 "0" RESC1005X40N 44.23,68.53 r0 top (schematic designator R98)
R98_8 "0" RESC1005X40N 44.23,78.53 r0 top (schematic designator R98)
R98_9 "0" RESC1005X40N 74.23,8.53 r0 top (schematic designator R98)
R98_10 "0" RESC1005X40N 74.23,18.53 r0 top (schematic designator R98)
R98_11 "0" RESC1005X40N 74.23,28.53 r0 top (schematic designator R98)
R98_12 "0" RESC1005X40N 74.23,38.53 r0 top (schematic designator R98)
R98_13 "0" RESC1005X40N 74.23,48.53 r0 top (schematic designator R98)
R98_14 "0" RESC1005X40N 74.23,58.53 r0 top (schematic designator R98)
R98_15 "0" RESC1005X40N 74.23,68.53 r0 top (schematic designator R98)
R98_16 "0" RESC1005X40N 74.23,78.53 r0 top (schematic designator R98)
R99_1 "10M" RESC1608X55N 40.276,11.374 r270 top (schematic designator R99)
R99_2 "10M" RESC1608X55N 40.276,21.374 r270 top (schematic designator R99)
R99_3 "10M" RESC1608X55N 40.276,41.374 r270 top (schematic designator R99)
R99_4 "10M" RESC1608X55N 40.276,31.374 r270 top (schematic designator R99)
R99_5 "10M" RESC1608X55N 40.276,51.374 r270 top (schematic designator R99)
R99_6 "10M" RESC1608X55N 40.276,61.374 r270 top (schematic designator R99)
R99_7 "10M" RESC1608X55N 40.276,71.374 r270 top (schematic designator R99)
R99_8 "10M" RESC1608X55N 40.276,81.374 r270 top (schematic designator R99)
R99_9 "10M" RESC1608X55N 70.276,11.374 r270 top (schematic designator R99)
R99_10 "10M" RESC1608X55N 70.276,21.374 r270 top (schematic designator R99)
R99_11 "10M" RESC1608X55N 70.276,31.374 r270 top (schematic designator R99)
R99_12 "10M" RESC1608X55N 70.276,41.374 r270 top (schematic designator R99)
R99_13 "10M" RESC1608X55N 70.276,51.374 r270 top (schematic designator R99)
R99_14 "10M" RESC1608X55N 70.276,61.374 r270 top (schematic designator R99)
R99_15 "10M" RESC1608X55N 70.276,71.374 r270 top (schematic designator R99)
R99_16 "10M" RESC1608X55N 70.276,81.374 r270 top (schematic designator R99)
R100 "0" RESC1608X55N 9.742,96.074 r180 bottom
R101 "0" RESC1608X55N 10.107,6.487 r180 bottom
R102 "0" RESC1608X55N 137.6,54.3 r0 top
R103 "0" RESC1608X55N 137.6,49.5 r0 top
R104 "0" RESC1608X55N 137.6,42.7 r0 top
R105 "0" RESC1608X55N 137.6,55.8 r0 top
R106 "0" RESC1608X55N 137.6,38 r0 top
R107 "0" RESC1608X55N 137.6,36.5 r0 top
R108 "0" RESC1608X55N 137.6,32.5 r0 top
R109 "0" RESC1608X55N 137.6,30.8 r0 top
R110 "24k" RESC1608X55N 18.375,7.275 r180 bottom
R111 "10k" RESC1005X40N 128.328,63.294 r180 top
R131 "100" RESC1005X40N 126,60.221 r90 top
R141 "10k" RESC1005X40N 121.137,61.912 r180 top
R154 "10k" RESC1005X40N 120.578,59.848 r90 top
R222 "15k" RESC1608X55N 85.7,128.925 r0 top
R333 "47k" RESC1608X55N 105.7,128.925 r0 top
R888 "47k" RESC1608X55N 114.7,128.925 r0 top
ST1 "SCHROFF_PANEL_3U_4HP-Thermostat" "SCHROFF_PANEL_3HP_4U - Thermostat" 5.056,5.512 r0 top
SW1_1 "Switch" SW_OMRON_A6SN-1101 33.648,12.2 r180 top (schematic designator SW1)
SW1_2 "Switch" SW_OMRON_A6SN-1101 33.648,22.2 r180 top (schematic designator SW1)
SW1_3 "Switch" SW_OMRON_A6SN-1101 33.648,42.2 r180 top (schematic designator SW1)
SW1_4 "Switch" SW_OMRON_A6SN-1101 33.648,32.2 r180 top (schematic designator SW1)
SW1_5 "Switch" SW_OMRON_A6SN-1101 33.648,52.2 r180 top (schematic designator SW1)
SW1_6 "Switch" SW_OMRON_A6SN-1101 33.648,62.2 r180 top (schematic designator SW1)
SW1_7 "Switch" SW_OMRON_A6SN-1101 33.648,72.2 r180 top (schematic designator SW1)
SW1_8 "Switch" SW_OMRON_A6SN-1101 33.648,82.2 r180 top (schematic designator SW1)
SW1_9 "Switch" SW_OMRON_A6SN-1101 63.648,12.2 r180 top (schematic designator SW1)
SW1_10 "Switch" SW_OMRON_A6SN-1101 63.648,22.2 r180 top (schematic designator SW1)
SW1_11 "Switch" SW_OMRON_A6SN-1101 63.648,32.2 r180 top (schematic designator SW1)
SW1_12 "Switch" SW_OMRON_A6SN-1101 63.648,42.2 r180 top (schematic designator SW1)
SW1_13 "Switch" SW_OMRON_A6SN-1101 63.648,52.2 r180 top (schematic designator SW1)
SW1_14 "Switch" SW_OMRON_A6SN-1101 63.648,62.2 r180 top (schematic designator SW1)
SW1_15 "Switch" SW_OMRON_A6SN-1101 63.648,72.2 r180 top (schematic designator SW1)
SW1_16 "Switch" SW_OMRON_A6SN-1101 63.648,82.2 r180 top (schematic designator SW1)
T1 "SI4425DDY-T1-GE3" SOIC127P600X175-8N 136.02,26.496 r0 top
T2 "BC857BV" SOTFL50P160X60-6N 136.299,22.296 r90 top
T3 "BSS138LT1G" SOT95P240X110-3N 131.087,19.071 r90 top
T3 "SI4425DDY-T1-GE3" SOIC127P600X175-8N 120.465,53.526 r180 top
T4 "FDN86246" SOT95P237X112-3N 127.365,9.75 r270 top
T5 "BC857BV" SOTFL50P160X60-6N 120.5,49.55 r180 top
T6 "BSS138LT1G" SOT95P240X110-3N 126.415,17.916 r270 top
TP1 "Test Point" TPS127 149.987,18 r90 top
TP2 "Test Point" TPS127 147.235,18.052 r90 top
TP3 "Test Point" TPS127 97.076,60.524 r270 top
TP6 "Test Point" TPS127 102.517,6.325 r0 top
TP8 "Test Point" TPS127 97.076,58.179 r270 top
TP9 "Test Point" TPS127 97.076,48.84 r180 top
TP10 "Test Point" TPS127 73.1,128.625 r0 top
W1 "Header 10" SAMTEC_MTLW-110-07-L-S-250 117.3,95.756 r0 top
W2 "Header 4" SAMTEC_HTSW-104-23-L-S 142.9,68.92 r90 top

## Footprints (in the part's own frame and the unit in brackets; to place one, negate y for a bottom-side part, rotate by r counter-clockwise, add the part's x,y. Pads: shape width x height; smd on the part's side, far side on the other; paste and mask are expansions set on the pad)
3M_N2530-6002RB [mm] "30 Contacts - Straight .100\" x .100\" Low Profile Four-Wall Header"
  round 1.6 hole 1: 1(-17.78,-1.27) 2(-17.78,1.27) 3(-15.24,-1.27) 4(-15.24,1.27) 5(-12.7,-1.27) 6(-12.7,1.27) 7(-10.16,-1.27) 8(-10.16,1.27) 9(-7.62,-1.27) 10(-7.62,1.27) 11(-5.08,-1.27) 12(-5.08,1.27) 13(-2.54,-1.27) 14(-2.54,1.27) 15(0,-1.27) 16(0,1.27) 17(2.54,-1.27) 18(2.54,1.27) 19(5.08,-1.27) 20(5.08,1.27) 21(7.62,-1.27) 22(7.62,1.27) 23(10.16,-1.27) 24(10.16,1.27) 25(12.7,-1.27) 26(12.7,1.27) 27(15.24,-1.27) 28(15.24,1.27) 29(17.78,-1.27) 30(17.78,1.27)
  silkscreen extent -22.71,-4.85 22.71,4.52, body extent -22.71,-4.11 22.71,4.52, height 9.91
ABRACON_ARJM11C7-114-BA-EW2 [mm] "LAN Transformer, body 21.84x15.88mm"
  round 1.4 hole 0.9: 1(5.715,6.35) 2(4.445,8.89) 3(3.175,6.35) 4(1.905,8.89) 5(0.635,6.35) 6(-0.635,8.89) 7(-1.905,6.35) 8(-3.175,8.89) 9(-4.445,6.35) 10(-5.715,8.89)
  round 1.52 hole 1.02: L1(-6.8,-2.55) L2(-6.8,-4.58) L3(6.8,-2.55) L4(6.8,-4.58)
  round 3.25 hole 3.25 unplated: MH1(-5.715,0)
  round 3.2 hole 3.25 unplated: MH2(5.715,0)
  round 2.4 hole 1.6: S1(-7.845,3.05) S2(7.845,3.05)
  silkscreen extent -8.04,-10.87 8.04,10.63, body extent -10.33,-10.87 10.33,10.63, height 16.15